# Altium PCB spd150.PcbDoc (part 10 of 16) (continued)
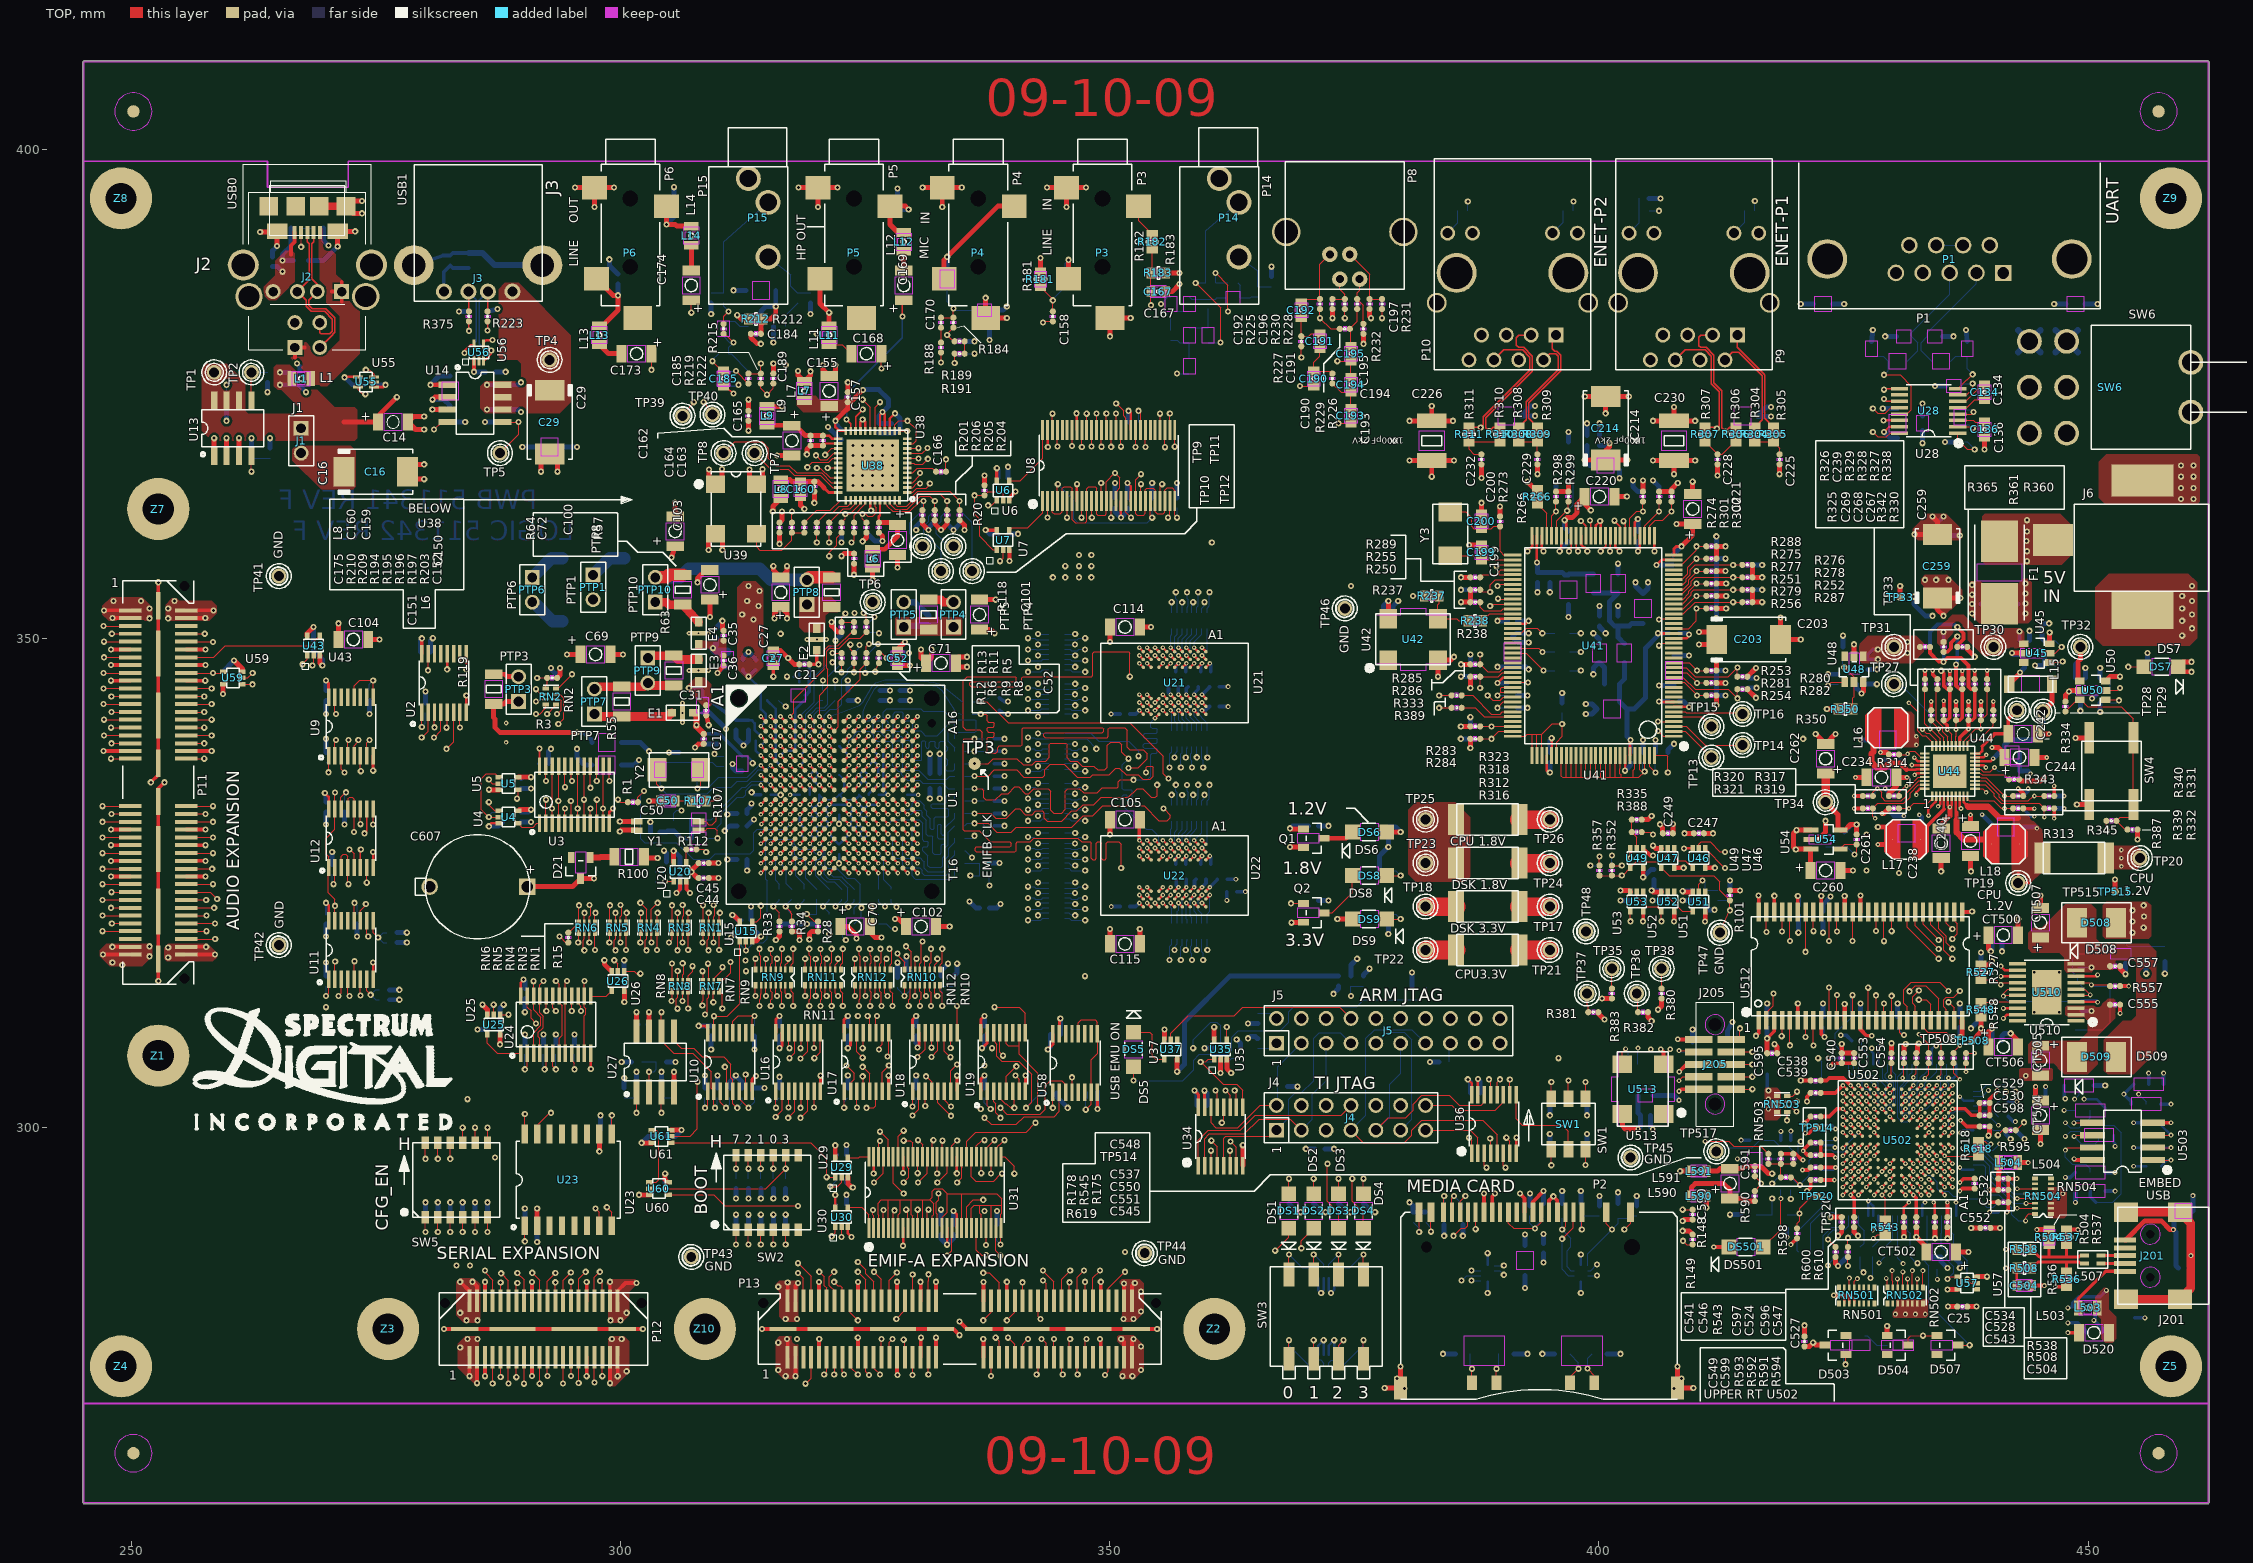
[diagram p0: TOP view]
## Nets (pads, with @x,y where several pads share a name; then routed paths per layer and width w, separated by ;. In a path a pad name is that pad's centre, name@x,y a point inside that pad or via, vN(x,y) a via of type N, cw(c..) or ccw(c..) an arc to the next point about the centre after c; other vN are vias at no path point) (continued)
  TOP w0.254: v1(321.945,372.237) 321.945,371.599 322.356,371.196 U38.24@323.007,371.196 ; U38.17@326.504,371.196 326.504,372.859 v1(326.771,373.126) 327.005,372.892 U38.16@327.005,371.196
  TOP w0.508: v1(321.945,372.237) 323.215,373.507 C157.1@323.215,374.142 323.497,374.142 v1(324.752,375.397)
  BOTTOM w0.381: v1(321.945,372.237) 321.945,372.013 322.58,371.378 C153.1@322.58,371.348
  BOTTOM w0.508: v1(324.752,375.397) 324.767,375.412 326.39,375.412 327.365,374.437 327.365,373.72 v1(326.771,373.126) 326.39,372.745 C156.1@326.39,371.983 C154.1@327.66,371.983
N17225839: R15.1 U1.B5 | length 40.3
  TOP w0.127: v1(293.751,319.532) 294.386,318.897 R15.1@294.64,318.897
  TOP w0.254: v2(318.325,341.015) U1.B5@318.826,340.515
  LYR3-SIG w0.102: 313.69,336.169 313.817,336.169 314.063,336.415 317.619,336.415 317.881,336.677 317.881,339.217 318.135,339.471 318.389,339.471 318.77,339.852 318.77,340.571 v2(318.325,341.015)
  LYR3-SIG w0.127: v1(293.751,319.532) 293.751,323.215 306.324,335.788 311.785,335.788 312.166,336.169 313.69,336.169
N17240773: R330.1 U44.21 | length 4.3
  TOP w0.127: U44.21@437.662,338.988 437.662,339.364 437.921,339.623 438.861,339.623 440.309,341.071 R330.1@440.309,341.63
N17240793: R320.2 R322.2 U44.38 | length 8.7
  TOP w0.127: R320.2@427.99,333.883 427.99,334.264 428.371,334.645 v2(428.447,334.645) 428.498,334.645 428.879,334.264 428.879,333.731 429.235,333.375 430.911,333.375 431.419,333.883 431.419,334.152 432.689,335.422 U44.38@433.299,335.422
  BOTTOM w0.127: R322.2@428.244,333.756 428.244,334.442 v2(428.447,334.645)
N17240813: R326.2 TP27.1 U44.28 | length 12.9
  TOP w0.127: R326.2@433.324,344.805 433.324,341.274 v2(433.857,340.741) 434.863,339.735 U44.28@434.863,338.988
  BOTTOM w0.127: TP27.1@430.149,345.313 430.784,345.313 433.857,342.24 v2(433.857,340.741)
N17240835: L17.2 U44.4 | length 5.4
  TOP w0.254: 435.265,332.522 U44.4@435.265,333.858
  TOP w0.381: 433.349,330.606 435.265,332.522
  TOP w0.635: L17.2@432.88,329.438 432.88,330.137 433.349,330.606
N17240841: R339.2 R341.1 U44.10 | length 6.2
  TOP w0.127: U44.10@437.662,333.858 437.662,333.583 437.845,333.4 440.334,333.4 441.122,332.613 v2(441.452,332.613) R339.2@442.341,332.613
  BOTTOM w0.127: v2(441.452,332.613) R341.1@442.341,332.613
N17240851: R340.2 R344.1 U44.14 | length 5.6
  TOP w0.127: U44.14@438.429,335.824 438.983,335.824 439.08,335.727 439.608,335.727 v2(441.452,333.883) R340.2@442.341,333.883
  BOTTOM w0.127: v2(441.452,333.883) R344.1@442.341,333.883
N17240857: R338.2 R342.1 U44.22 | length 7.1
  TOP w0.127: U44.22@437.264,338.988 437.264,339.474 438.531,340.741 v2(439.039,340.741) R342.1@439.039,341.63 439.674,342.265 R338.2@439.674,344.805
N17240887: R319.2 R324.1 U44.1 | length 5.1
  TOP w0.127: R319.2@430.657,332.613 v2(431.673,332.613) 432.181,333.121 433.583,333.121 434.066,333.604 U44.1@434.066,333.858
  BOTTOM w0.127: R324.1@430.657,332.613 v2(431.673,332.613)
N17240913: R345.2 U44.11 | length 17.2
  TOP w0.127: U44.11@438.429,334.625 439.212,334.625 v2(439.572,334.264) ; v1(451.866,330.378) R345.2@451.866,331.343
  LYR3-SIG w0.127: v2(439.572,334.264) 440.588,333.248 447.548,333.248 448.056,333.756 449.58,333.756 450.723,332.613 450.723,331.521 v1(451.866,330.378)
N17240949: R314.2 R315.1 U44.32 | length 4.2
  TOP w0.127: R314.2@430.657,338.125 431.475,338.125 v2(431.551,338.201) 431.805,338.455 432.252,338.455 432.885,337.823 U44.32@433.299,337.823
  BOTTOM w0.127: R315.1@430.657,337.693 431.165,337.693 431.551,338.079 v2(431.551,338.201)
N17240989: R321.2 R322.1 U44.39 | length 8.8
  TOP w0.127: v2(428.231,331.597) 427.99,331.838 R321.2@427.99,332.613 428.498,333.121 431.165,333.121 431.8,333.756 431.8,334.173 432.651,335.023 U44.39@433.299,335.023
  BOTTOM w0.127: v2(428.231,331.597) 428.231,331.925 428.244,331.937 R322.1@428.244,332.74
N17241029: L16.1 U44.35 | length 9.7
  TOP w0.229: 431.444,336.575 432.387,336.575 432.435,336.624 U44.35@433.299,336.624
  TOP w0.508: 430.809,337.21 431.444,336.575
  TOP w0.635: L16.1@428.053,340.868 428.053,338.392 427.863,338.201 427.863,337.312 428.346,336.829 429.285,336.829 429.666,337.21 430.809,337.21
N17241051: C235.1 R317.2 U44.37 | length 5.1
  TOP w0.127: R317.2@430.657,333.883 430.657,334.264 431.292,334.899 v2(431.457,334.899) 431.734,334.899 432.659,335.824 U44.37@433.299,335.824
  BOTTOM w0.127: C235.1@430.657,333.883 430.657,334.264 431.292,334.899 v2(431.457,334.899)
N17241071: C239.1 U44.26 | length 6.4
  TOP w0.127: C239.1@434.594,344.805 434.467,344.678 434.467,341.63 435.153,340.944 435.153,340.436 435.663,339.926 U44.26@435.663,338.988
N17241105: R332.2 R337.1 U44.12 | length 10
  TOP w0.127: U44.12@438.429,335.023 439.499,335.023 440.385,334.137 440.385,333.832 441.096,333.121 445.008,333.121 R332.2@445.516,332.613 v2(445.516,331.724)
  BOTTOM w0.127: v2(445.516,331.724) R337.1@445.516,332.613
N17242097: R331.2 R336.1 U44.13 | length 9.3
  TOP w0.127: U44.13@438.429,335.422 439.506,335.422 440.919,334.01 440.919,333.731 441.274,333.375 443.865,333.375 444.373,333.883 v2(444.5,333.883) R331.2@445.516,333.883
  BOTTOM w0.127: v2(444.5,333.883) R336.1@445.516,333.883
N17242129: L18.2 U44.7 | length 7.8
  TOP w0.254: U44.7@436.463,333.858 436.463,332.278 436.55,332.191
  TOP w0.381: 436.55,331.419 436.55,332.191
  TOP w0.635: 436.55,331.419 436.55,330.175 437.286,329.438 439.649,329.438 440.093,328.993 L18.2@440.093,328.981
N17242135: R343.1 U44.15 | length 3.8
  TOP w0.127: U44.15@438.429,336.222 438.986,336.222 439.153,336.055 441.465,336.055 R343.1@441.935,335.585
N17254420: R188.2 U38.11 U38.14 | length 13.9
  TOP w0.127: U38.14@328.005,371.196 328.005,371.82 328.422,372.237 v1(329.311,372.237) 330.2,371.348 330.2,370.205 329.91,369.915 U38.11@329.286,369.915 ; v1(332.74,378.206) R188.2@332.74,379.222
  LYR3-SIG w0.127: v1(329.311,372.237) 332.74,375.666 v1(332.74,378.206)
N17261959: TP16.1 U41.6 | length 7.1
  TOP w0.127: U41.6@407.645,342.494 408.838,342.494 408.94,342.392 414.528,342.392 TP16.1@414.655,342.265
N17266863: R237.2 R238.2 U42.3 | length 5.5
  TOP w0.127: R237.2@383.667,354.33 383.667,353.568 383.54,353.441 U42.3@383.54,351.993 385.445,351.993 385.648,351.79 R238.2@386.588,351.79
N17266974: R238.1 U41.77 | length 3.4
  TOP w0.127: R238.1@388.112,351.79 388.826,352.504 U41.77@391.185,352.504
N17281780: TP13.1 U41.2 | length 4.9
  TOP w0.127: U41.2@407.645,340.492 408.808,340.492 TP13.1@411.48,337.82
N17281860: TP14.1 U41.3 | length 7.8
  TOP w0.127: U41.3@407.645,340.992 408.943,340.992 410.845,339.09 TP14.1@414.655,339.09
N17285162: R242.2 U41.85 | length 5
  TOP w0.127: U41.85@391.185,348.498 392.547,348.498 v1(394.335,346.71)
  BOTTOM w0.127: v1(394.335,346.71) R242.2@395.478,346.71
N17285163: R243.2 U41.84 | length 4.5
  TOP w0.127: U41.84@391.185,348.999 393.835,348.999 v1(394.218,348.615)
  BOTTOM w0.127: v1(394.218,348.615) R243.2@395.478,348.615
N17297162: RN13.9 U1.J16 | length 24.5
  TOP w0.254: U1.J16@329.834,333.51 v2(330.335,333.009)
  LYR8-SIG w0.127: v2(330.335,333.009) 330.835,332.509 330.835,330.073 331.724,329.184 331.724,327.787 331.978,327.533 335.026,327.533 335.28,327.787 335.28,330.2 335.534,330.454 337.523,330.454 339.428,328.549 340.868,328.549 341.122,328.803 341.122,330.832 v1(341.633,331.343)
  BOTTOM w0.127: v1(341.633,331.343) 342.943,331.343 343.157,331.556 RN13.9@343.741,331.556
N17297163: RN13.10 U1.J15 | length 24.4
  TOP w0.254: U1.J15@328.833,333.51 v2(329.334,333.009)
  LYR8-SIG w0.102: v2(329.334,333.009) 329.728,333.403 330.581,333.403 330.835,333.149
  LYR8-SIG w0.127: 330.835,333.149 331.193,332.791 331.193,330.307 332.128,329.372 332.128,328.315 332.466,327.977 334.282,327.977 334.853,328.549 334.853,331.226 335.224,331.597 337.315,331.597 338.658,330.253 340.413,330.253 340.777,330.617 340.777,331.371 341.257,331.851 v1(342.649,331.851)
  BOTTOM w0.127: v1(342.649,331.851) 342.928,332.13 RN13.10@343.741,332.13
N17297164: RN13.11 U1.J13 | length 24.4
  TOP w0.254: U1.J13@326.832,333.51 v2(327.332,333.009)
  LYR8-SIG w0.102: v2(327.332,333.009) 327.939,333.616 330.835,333.616
  LYR8-SIG w0.127: 330.835,333.616 330.848,333.616 331.564,332.9 331.564,330.581 332.585,329.56 332.585,329.024 332.826,328.783 334.211,328.783 334.488,329.06 334.488,331.914 335.186,332.613 339.428,332.613 339.555,332.486 v1(341.633,332.486)
  BOTTOM w0.127: v1(341.633,332.486) 343.014,332.486 343.157,332.628 RN13.11@343.741,332.628
N17297165: RN13.12 U1.H16 | length 24.3
  TOP w0.254: U1.H16@329.834,334.51 v2(330.335,335.011)
  LYR8-SIG w0.127: v2(330.335,335.011) 331.691,335.011 332.105,334.597 332.105,333.418 331.973,333.286 331.973,330.779 332.161,330.591 332.318,330.591 332.704,330.977 332.862,330.977 333.367,330.472 333.367,330.314 333.253,330.2 333.096,330.2 332.862,330.434 332.704,330.434 332.59,330.319 332.59,330.162 333.451,329.301 333.962,329.301 334.134,329.474 334.134,332.209 334.792,332.867 339.428,332.867 339.555,332.994 v1(342.649,332.994)
  BOTTOM w0.127: v1(342.649,332.994) 342.781,333.126 RN13.12@343.741,333.126
N17297166: RN13.13 U1.H13 | length 24.4
  TOP w0.254: U1.H13@326.832,334.51 v2(327.332,335.011)
  LYR8-SIG w0.102: v2(327.332,335.011) 327.726,335.404 330.581,335.404
  LYR8-SIG w0.127: 330.581,335.404 331.917,335.404 333.474,333.847 333.474,333.309 333.586,333.197 334.322,333.197 334.434,333.309 334.434,333.466 334.322,333.578 333.967,333.578 333.855,333.69 333.855,333.847 333.967,333.959 334.988,333.959 335.1,334.071 335.1,334.228 334.988,334.34 333.728,334.34 333.616,334.452 333.616,334.609 333.728,334.721 335.369,334.721 335.481,334.609 335.481,334.071 335.592,333.959 339.776,333.959 340.111,333.624 v1(341.638,333.624)
  BOTTOM w0.127: v1(341.638,333.624) 342.443,333.624 342.453,333.614 342.875,333.614 342.885,333.624 RN13.13@343.741,333.624
N17297167: RN13.14 U1.G16 | length 24.3
  TOP w0.254: U1.G16@329.834,335.511 v2(330.335,336.012)
  LYR8-SIG w0.127: v2(330.335,336.012) 332.105,336.012 332.964,335.153 336.855,335.153 336.967,335.041 336.967,334.503 337.078,334.391 338.597,334.391 338.709,334.503 338.709,334.66 338.597,334.772 337.459,334.772 337.348,334.884 337.348,335.041 337.459,335.153 339.725,335.153 340.657,334.221 341.818,334.221 342.232,334.635 344.508,334.635 344.846,334.297 344.846,333.832 344.454,333.441 343.344,333.441 v1(342.664,334.122)
  BOTTOM w0.127: v1(342.664,334.122) RN13.14@343.741,334.122
N17297168: RN13.15 U1.G13 | length 24.5
  TOP w0.254: U1.G13@326.832,335.511 v2(327.332,336.012)
  LYR8-SIG w0.102: v2(327.332,336.012) 327.873,336.553 330.705,336.553
  LYR8-SIG w0.127: 330.705,336.553 332.91,336.553 333.022,336.441 333.022,335.902 333.134,335.791 334.424,335.791 334.536,335.902 334.536,336.06 334.424,336.172 333.515,336.172 333.403,336.283 333.403,336.441 333.515,336.553 334.813,336.553 335.958,335.407 336.38,335.407 336.951,335.978 338.435,335.978 339.006,335.407 339.428,335.407 339.745,335.724 341.653,335.724 342.077,336.149 342.328,336.149 342.433,336.045 342.433,335.867 342.026,335.46 342.026,335.166 v1(341.633,334.772)
  BOTTOM w0.127: v1(341.633,334.772) 342.351,334.772 342.438,334.686 342.478,334.686 342.534,334.63 342.875,334.63 342.885,334.62 RN13.15@343.741,334.62
N17297169: RN13.16 U1.F16 | length 24.4
  TOP w0.254: U1.F16@329.834,336.512 v2(330.335,337.012)
  LYR3-SIG w0.102: v2(330.335,337.012) 330.835,337.012
  LYR3-SIG w0.127: 330.835,337.012 332.694,335.153 334.518,335.153 335.534,334.137 336.941,334.137 337.053,334.249 337.053,335.549 337.165,335.661 338.597,335.661 338.709,335.549 338.709,335.392 338.597,335.28 337.546,335.28 337.434,335.168 337.434,335.011 337.546,334.899 338.597,334.899 338.709,334.787 338.709,334.63 338.597,334.518 337.546,334.518 337.434,334.406 337.434,334.249 337.546,334.137 339.428,334.137 339.916,334.625 339.916,335.62 340.21,335.915 341.927,335.915 v1(342.649,335.194)
  BOTTOM w0.127: v1(342.649,335.194) RN13.16@343.741,335.194
N17297416: RN15.9 U1.F13 | length 24.5
  TOP w0.254: U1.F13@326.832,336.512 v2(327.332,337.012)
  LYR3-SIG w0.102: v2(327.332,337.012) 327.759,337.439 330.835,337.439
  LYR3-SIG w0.127: 330.835,337.439 331.597,336.677 336.423,336.677 338.836,338.836 339.369,339.217 339.517,339.314 339.725,339.471 340.868,340.868 340.868,344.551 341.63,346.583 v1(341.633,346.583)
  BOTTOM w0.127: v1(341.633,346.583) 342.943,346.583 343.157,346.796 RN15.9@343.741,346.796
N17297417: RN15.10 U1.E16 | length 24.5
  TOP w0.254: U1.E16@329.834,337.513 v2(330.335,338.013)
  LYR3-SIG w0.102: v2(330.335,338.013) 330.396,338.074 330.835,338.074
  LYR3-SIG w0.127: 330.835,338.074 331.851,337.058 332.994,337.058 333.248,337.312 333.248,338.074 333.502,338.328 333.883,338.328 334.01,338.201 334.772,338.201 334.899,338.328 335.28,338.328 335.775,337.833 336.563,337.833 339.09,340.36 339.852,340.36 340.081,340.589 340.081,340.766 339.768,341.079 339.768,341.551 340.233,342.016 340.233,344.104 339.352,344.985 339.352,346.192 340.251,347.091 v1(342.649,347.091)
  BOTTOM w0.127: v1(342.649,347.091) 342.928,347.37 RN15.10@343.741,347.37
N17297418: RN15.11 U1.E13 | length 24.4
  TOP w0.254: U1.E13@326.832,337.513 v2(327.332,338.013)
  LYR3-SIG w0.102: v2(327.332,338.013) 327.901,338.582 330.708,338.582
  LYR3-SIG w0.127: 330.708,338.582 330.835,338.709 335.704,338.709 335.958,338.963 336.893,338.963 338.955,341.025 338.955,346.448 340.233,347.726 v1(341.633,347.726)
  BOTTOM w0.127: v1(341.633,347.726) 343.014,347.726 343.157,347.868 RN15.11@343.741,347.868
N17297419: RN15.12 U1.D16 | length 24.5
  TOP w0.254: U1.D16@329.834,338.513 v2(330.335,339.014)
  LYR3-SIG w0.102: v2(330.335,339.014) 330.411,339.09 330.835,339.09
  LYR3-SIG w0.127: 330.835,339.09 334.653,339.09 335.872,340.309 337.271,340.309 338.513,341.551 338.513,342.58 338.386,342.707 337.937,342.707 337.81,342.58 337.81,341.775 337.713,341.678 337.401,341.678 337.312,341.767 337.312,345.44 340.106,348.234 v1(342.649,348.234)
  BOTTOM w0.127: v1(342.649,348.234) 342.781,348.366 RN15.12@343.741,348.366
N17297420: RN15.13 U1.D15 | length 24.5
  TOP w0.254: U1.D15@328.833,338.513 v2(329.334,339.014)
  LYR3-SIG w0.102: v2(329.334,339.014) 329.791,339.471 330.835,339.471
  LYR3-SIG w0.127: 330.835,339.471 334.2,339.471 335.524,340.794 335.524,343.014 335.412,343.126 335.255,343.126 335.143,343.014 335.143,342.166 335.031,342.054 334.874,342.054 334.762,342.166 334.762,343.395 334.874,343.507 335.412,343.507 335.524,343.619 335.524,344.287 340.101,348.864 v1(341.638,348.864)
  BOTTOM w0.127: v1(341.638,348.864) 342.443,348.864 342.453,348.854 342.875,348.854 342.885,348.864 RN15.13@343.741,348.864
N17297421: RN15.14 U1.D14 | length 24.5
  TOP w0.254: U1.D14@327.833,338.513 v2(328.333,339.014)
  LYR3-SIG w0.102: v2(328.333,339.014) 328.727,339.407 328.727,340.03 329.184,340.487 330.581,340.487 330.835,340.233
  LYR3-SIG w0.127: 330.835,340.233 330.962,340.106 333.835,340.106 334.33,340.601 334.33,342.636 334.218,342.748 334.061,342.748 333.949,342.636 333.949,342.582 333.837,342.471 333.68,342.471 333.568,342.582 333.568,343.017 333.68,343.129 334.218,343.129 334.33,343.24 334.33,343.601 340.101,349.372 341.848,349.372 341.859,349.362 v1(342.664,349.362)
  BOTTOM w0.127: v1(342.664,349.362) RN15.14@343.741,349.362
N17297422: RN15.15 U1.D13 | length 24.5
  TOP w0.254: U1.D13@326.832,338.513 v2(327.332,339.014)
  LYR3-SIG w0.102: v2(327.332,339.014) 327.787,339.468 327.787,342.265 328.041,342.519
  LYR3-SIG w0.127: 328.041,342.519 328.356,342.834 329.753,342.834 330.436,343.517 330.436,344.442 331.313,345.318 332.811,345.318 333.538,344.592 334.559,344.592 339.979,350.012 v1(341.633,350.012)
  BOTTOM w0.127: v1(341.633,350.012) 342.311,350.012 342.453,349.87 342.875,349.87 342.885,349.86 RN15.15@343.741,349.86
N17297423: RN15.16 U1.C16 | length 24.4
  TOP w0.254: U1.C16@329.834,339.514 v2(330.335,340.015)
  LYR4-SIG w0.102: v2(330.335,340.015) 330.835,339.514
  LYR4-SIG w0.127: 330.835,339.514 330.878,339.471 332.486,339.471 335.28,342.265 335.28,346.202 337.439,348.361 337.439,351.155 338.074,351.79 342.138,351.79 342.649,351.279 v1(342.649,350.434)
  BOTTOM w0.127: v1(342.649,350.434) RN15.16@343.741,350.434
N17297670: RN17.16 U1.G15 | length 24.4
  TOP w0.254: U1.G15@328.833,335.511 v2(329.334,336.012)
  LYR3-SIG w0.102: v2(329.334,336.012) 329.745,336.423 330.726,336.423
  LYR3-SIG w0.127: 330.726,336.423 335.552,331.597 339.755,331.597 340.662,330.69 343.032,330.69 343.634,330.088 343.634,326.019 v1(342.649,325.034)
  BOTTOM w0.127: v1(342.649,325.034) RN17.16@343.741,325.034
N17297671: RN17.15 U1.H14 | length 24.3
  TOP w0.254: U1.H14@327.833,334.51 v2(328.333,335.011)
  LYR3-SIG w0.102: v2(328.333,335.011) 328.729,335.407 330.708,335.407
  LYR3-SIG w0.127: 330.708,335.407 332.105,334.01 332.105,332.91 334.508,330.507 338.008,330.507 338.412,330.103 339.847,330.103 341.13,328.821 341.13,328.333 341.427,328.036 341.914,328.036 342.141,327.81 342.141,325.12 v1(341.633,324.612)
  BOTTOM w0.127: v1(341.633,324.612) 342.265,324.612 342.407,324.47 342.875,324.47 342.885,324.46 RN17.15@343.741,324.46
N17297672: RN17.14 U1.H15 | length 24.5
  TOP w0.254: U1.H15@328.833,334.51 v2(329.334,335.011)
  LYR3-SIG w0.102: v2(329.334,335.011) 329.941,334.404 330.728,334.404 330.835,334.297
  LYR3-SIG w0.127: 330.835,334.297 331.041,334.091 331.041,333.423 335.216,329.248 336.906,329.248 337.017,329.136 337.017,328.597 337.129,328.486 337.883,328.486 337.995,328.597 337.995,328.755 337.883,328.866 337.51,328.866 337.398,328.978 337.398,329.136 337.51,329.248 339.649,329.248 340.589,328.308 340.589,327.807 340.886,327.51 340.886,324.46 341.368,323.977 341.841,323.977 341.856,323.962 v1(342.664,323.962)
  BOTTOM w0.127: v1(342.664,323.962) RN17.14@343.741,323.962
N17297673: RN17.13 U1.J14 | length 24.3
  TOP w0.254: U1.J14@327.833,333.51 v2(328.333,333.009)
  LYR3-SIG w0.102: v2(328.333,333.009) 328.826,333.502 330.431,333.502
  LYR3-SIG w0.127: 330.431,333.502 334.01,329.923 334.01,328.676 335.915,326.771 336.619,326.771 337.861,328.013 339.758,328.013 340.002,327.769 340.002,324.404 340.937,323.469 v1(341.63,323.469)
  BOTTOM w0.127: v1(341.63,323.469) 342.011,323.466 342.273,323.464 342.395,323.342 343.035,323.342 343.157,323.464 RN17.13@343.741,323.464
N17297674: RN17.12 U1.K13 | length 24.3
  TOP w0.254: U1.K13@326.832,332.509 v2(327.332,332.008)
  LYR3-SIG w0.102: v2(327.332,332.008) 327.81,332.486 330.708,332.486 330.835,332.359
  LYR3-SIG w0.127: 330.835,332.359 333.502,329.692 333.502,327.198 334.437,326.263 337.129,326.263 337.477,326.611 337.977,326.611 338.341,326.248 339.032,326.248 339.362,325.918 339.362,323.832 340.36,322.834 v1(342.649,322.834)
  BOTTOM w0.127: v1(342.649,322.834) 342.781,322.966 RN17.12@343.741,322.966
N17297675: RN17.11 U1.K16 | length 24.4
  TOP w0.254: U1.K16@329.834,332.509 v2(330.335,332.008)
  LYR3-SIG w0.102: v2(330.335,332.008) 330.678,332.008
  LYR3-SIG w0.127: 330.678,332.008 333.121,329.565 333.121,326.972 334.97,325.123 334.97,322.616 335.854,321.732 337.393,321.732 337.505,321.843 337.505,322.001 337.393,322.113 336.829,322.113 336.718,322.224 336.718,322.382 336.829,322.494 337.774,322.494 337.886,322.382 337.886,321.843 337.998,321.732 339.755,321.732 340.35,322.326 v1(341.633,322.326)
  BOTTOM w0.127: v1(341.633,322.326) 343.014,322.326 343.157,322.468 RN17.11@343.741,322.468
N17297676: RN17.10 U1.L14 | length 24.3
  TOP w0.254: U1.L14@327.833,331.508 v2(328.333,331.008)
  LYR3-SIG w0.102: v2(328.333,331.008) 328.795,331.47 330.581,331.47
  LYR3-SIG w0.127: 330.581,331.47 332.74,329.311 332.74,326.771 334.391,325.12 334.391,321.818 335.026,321.183 340.868,321.183 341.376,321.691 v1(342.649,321.691)
  BOTTOM w0.127: v1(342.649,321.691) 342.928,321.97 RN17.10@343.741,321.97
N17297677: RN17.9 U1.L15 | length 24.5
  TOP w0.254: U1.L15@328.833,331.508 v2(329.334,331.008)
  LYR3-SIG w0.102: v2(329.334,331.008) 329.888,330.454 330.708,330.454 330.835,330.327
  LYR3-SIG w0.127: 330.835,330.327 332.359,328.803 332.359,326.39 334.01,324.739 334.01,321.183 336.042,319.151 339.601,319.151 v1(341.633,321.183)
  BOTTOM w0.127: v1(341.633,321.183) 342.943,321.183 343.157,321.396 RN17.9@343.741,321.396
N17297924: RN18.16 U1.A13 | length 24.3
  TOP w0.254: U1.A13@326.832,341.516 v2(327.332,342.016)
  LYR4-SIG w0.102: v2(327.332,342.016) 327.835,342.519 329.39,342.519 329.819,342.09 329.819,338.971 330.17,338.62 330.416,338.62 330.835,338.201
  LYR4-SIG w0.127: 330.835,338.201 335.026,334.01 336.931,334.01 338.201,332.74 339.471,332.74 341.503,330.708 342.054,330.708 v1(342.649,330.114)
  BOTTOM w0.127: v1(342.649,330.114) RN18.16@343.741,330.114
N17297925: RN18.15 U1.B14 | length 24.5
  TOP w0.254: U1.B14@327.833,340.515 v2(328.333,341.015)
  LYR4-SIG w0.102: v2(328.333,341.015) 327.939,340.622 327.939,336.847 328.237,336.55 330.581,336.55 330.835,336.296
  LYR4-SIG w0.127: 330.835,336.296 334.391,332.74 334.391,331.597 335.661,330.327 337.439,330.327 338.074,329.692 v1(341.633,329.692)
  BOTTOM w0.127: v1(341.633,329.692) 342.224,329.692 342.367,329.55 342.875,329.55 342.885,329.54 RN18.15@343.741,329.54
N17297926: RN18.14 U1.A14 | length 24.4
  TOP w0.254: U1.A14@327.833,341.516 v2(328.333,342.016)
  LYR4-SIG w0.102: v2(328.333,342.016) 328.803,341.546 328.803,337.82 329.057,337.566 330.581,337.566 330.835,337.312
  LYR4-SIG w0.127: 330.835,337.312 335.153,332.994 335.153,332.105 335.661,331.597 339.725,331.597 340.995,330.327 341.757,330.327 342.163,329.921 342.163,329.54 342.661,329.042 v1(342.664,329.042)
  BOTTOM w0.127: v1(342.664,329.042) RN18.14@343.741,329.042
N17297927: RN18.13 U1.E14 | length 24.4
  TOP w0.254: U1.E14@327.833,337.513 v2(328.333,338.013)
  LYR7-SIG w0.102: v2(328.333,338.013) 328.775,338.455 330.454,338.455
  LYR7-SIG w0.127: 330.454,338.455 330.49,338.419 330.505,338.419 331.231,337.693 334.645,337.693 335.026,337.312 335.026,330.708 335.407,330.327 337.439,330.327 337.82,329.946 340.236,329.946 v1(341.638,328.544)
  BOTTOM w0.127: v1(341.638,328.544) 342.265,328.544 342.387,328.422 343.035,328.422 343.157,328.544 RN18.13@343.741,328.544
N17297928: RN18.12 U1.E15 | length 24.3
  TOP w0.254: U1.E15@328.833,337.513 v2(329.334,338.013)
  LYR7-SIG w0.102: v2(329.334,338.013) 329.753,338.013 330.327,337.439 330.573,337.439 330.835,337.177
  LYR7-SIG w0.127: 330.835,337.177 330.962,337.05 333.129,337.05 333.883,336.296 333.883,332.867 333.121,332.105 333.121,329.692 333.502,329.311 339.725,329.311 341.122,327.914 v1(342.649,327.914)
  BOTTOM w0.127: v1(342.649,327.914) 342.781,328.046 RN18.12@343.741,328.046
N17297929: RN18.11 U1.F14 | length 24.4
  TOP w0.254: U1.F14@327.833,336.512 v2(328.333,337.012)
  LYR7-SIG w0.102: v2(328.333,337.012) 328.727,337.406 329.499,337.406 329.941,336.964 329.941,336.847 330.17,336.619 330.5,336.619 330.835,336.283
  LYR7-SIG w0.127: 330.835,336.283 331.089,336.283 333.248,334.124 333.248,333.121 332.486,332.359 332.486,329.311 332.867,328.93 339.217,328.93 340.741,327.406 v1(341.633,327.406)
  BOTTOM w0.127: v1(341.633,327.406) 343.014,327.406 343.157,327.548 RN18.11@343.741,327.548
N17297930: RN18.10 U1.F15 | length 24.4
  TOP w0.254: U1.F15@328.833,336.512 v2(329.334,337.012)
  LYR7-SIG w0.102: v2(329.334,337.012) 329.819,336.527 329.819,335.968 330.352,335.435 330.68,335.435 330.835,335.28
  LYR7-SIG w0.127: 330.835,335.28 332.105,334.01 332.105,332.994 331.724,332.613 331.724,328.295 332.359,327.66 334.264,327.66 335.153,328.549 338.836,328.549 340.614,326.771 v1(342.649,326.771)
  BOTTOM w0.127: v1(342.649,326.771) 342.928,327.05 RN18.10@343.741,327.05
N17297931: RN18.9 U1.G14 | length 24.3
  TOP w0.254: U1.G14@327.833,335.511 v2(328.333,336.012)
  LYR7-SIG w0.102: v2(328.333,336.012) 328.803,335.542 328.803,334.899 329.184,334.518 329.565,334.518
  LYR7-SIG w0.127: 329.565,334.518 329.921,334.162 329.921,333.809 330.203,333.527 330.556,333.527 331.216,332.867 331.216,328.041 331.978,327.279 334.645,327.279 335.458,328.092 336.626,328.092 338.455,326.263 v1(341.633,326.263)
  BOTTOM w0.127: v1(341.633,326.263) 342.943,326.263 343.157,326.476 RN18.9@343.741,326.476
N17304117: R175.1 R178.2 R545.1 R619.2 | length 3.9
  TOP w0.127: R178.2@417.322,296.291 R545.1@418.592,296.291 ; R619.2@418.592,294.894 R545.1@418.592,296.291 ; R175.1@419.862,296.291 R545.1@418.592,296.291
N17306324: F1.2 R366.2 SW6.1 SW6.4 | length 31.4
  LYR4-SIG w0.635: 442.864,379.237 SW6.4@443.992,380.365 ; 442.864,381.493 SW6.4@443.992,380.365 ; 445.12,379.237 SW6.4@443.992,380.365 ; 445.12,381.493 SW6.4@443.992,380.365 ; 446.674,379.237 SW6.1@447.802,380.365 ; 446.674,381.493 SW6.1@447.802,380.365 ; 448.93,379.237 SW6.1@447.802,380.365 ; 448.93,381.493 SW6.1@447.802,380.365
  BOTTOM w0.635: 439.102,353.505 R366.2@440.944,353.505 ; 440.944,352.425 R366.2@440.944,353.505 ; 440.944,354.584 R366.2@440.944,353.505 ; 442.785,353.505 R366.2@440.944,353.505 ; 442.864,379.237 SW6.4@443.992,380.365 ; 442.864,381.493 SW6.4@443.992,380.365 ; 445.12,379.237 SW6.4@443.992,380.365 ; 445.12,381.493 SW6.4@443.992,380.365 ; 446.674,379.237 SW6.1@447.802,380.365 ; 446.674,381.493 SW6.1@447.802,380.365 ; 448.93,379.237 SW6.1@447.802,380.365 ; 448.93,381.493 SW6.1@447.802,380.365
  other v1: 438.15,352.552 443.611,352.552 438.15,353.505 443.611,353.568 438.15,354.457 443.611,354.584 438.15,355.473 443.611,355.6
N17306766: DS7.2 R368.2 | length 2.5
  TOP w0.127: v1(454.101,347.091) DS7.2@455.701,347.091
  BOTTOM w0.127: v1(454.101,347.091) R368.2@455.041,347.091
N17307196: D1.1 F1.1 J6.CENTER R366.1
  other v1: 443.738,357.886 443.738,358.902 443.713,359.943 443.738,360.934 443.738,362.077
N17312924: R112.2 U20.4 | length 1.3
  TOP w0.127: R112.2@306.705,328.422 306.705,327.142 U20.4@306.72,327.127
N17312944: R396.1 U1.K1 U20.1 | length 15.3
  TOP w0.127: v1(304.521,325.145) U20.1@305.42,325.145
  TOP w0.254: v2(314.322,332.008) U1.K1@314.823,332.509
  LYR8-SIG w0.102: 313.69,332.008 v2(314.322,332.008)
  LYR8-SIG w0.127: v1(304.521,325.145) 310.591,331.216 311.277,331.216 312.069,332.008 313.69,332.008
  BOTTOM w0.127: R396.1@303.53,325.12 304.495,325.12 v1(304.521,325.145)
N17314465: R170.1 U34.9 U35.1 | length 10
  TOP w0.127: U35.1@360.665,306.984 360.07,306.984 359.791,306.705 v1(359.283,306.705) 361.569,304.419 362.966,304.419 363.591,303.794 U34.9@363.591,302.072
  BOTTOM w0.127: v1(359.283,306.705) R170.1@360.553,306.705
N17314473: C144.1 R170.2 | length 1.4
  BOTTOM w0.127: R170.2@362.077,306.705 362.458,307.086 C144.1@363.347,307.086
N17314475: R171.2 U35.4 | length 2.4
  TOP w0.127: v1(361.95,310.261) 361.95,308.981 U35.4@361.965,308.966
  BOTTOM w0.127: R171.2@361.95,309.118 v1(361.95,310.261)
N17314529: DS5.2 R173.2 | length 37.5
  TOP w0.127: v1(352.425,304.8) DS5.2@352.425,306.222
  BOTTOM w0.127: v1(352.425,304.8) 357.447,304.8 358.562,305.915 358.562,306.873 359.156,307.467 362.034,307.467 362.458,307.891 362.458,309.202 363.136,309.88 367.411,309.88 368.3,310.769 368.3,311.849 368.808,312.356 375.257,312.356 375.956,313.055 381.508,313.055 382.397,313.944 R173.2@382.397,314.325
N17314533: DS5.1 U37.4 | length 5.5
  TOP w0.127: DS5.1@352.425,309.728 354.076,309.728 354.33,309.474 354.33,307.34 354.686,306.984 U37.4@355.585,306.984
N17316930: C50.1 R107.2 | length 1.7
  TOP w0.127: C50.1@305.562,333.375 R107.2@307.213,333.375
N17328843: C46.2 C47.2 R104.2 R105.1 | length 5.4
  BOTTOM w0.508: R105.1@304.038,330.2 304.673,330.2 304.8,330.327 R104.2@305.435,330.327 306.197,329.565 C46.2@307.213,329.565 C47.2@307.213,331.47
N17328878: C48.2 C49.2 R108.2 R109.1 | length 6.6
  BOTTOM w0.127: C48.2@304.038,337.312 R109.1@305.943,337.312 C49.2@307.848,337.312 309.372,337.312 309.753,336.931 R108.2@310.515,336.931
N17367264: E1.3 PTP7.1 R55.1 | length 8.2
  TOP w0.889: PTP7.1@297.307,342.265 297.561,342.011 R55.1@300.101,342.011 304.825,342.011 E1.3@305.206,342.392
N17367683: E2.3 PTP8.1 R57.1
N17369049: E3.3 PTP9.1 R63.1 | length 5.5
  TOP w0.889: PTP9.1@302.768,347.98 303.022,348.234 R63.1@305.435,348.234 305.841,347.828 E3.3@307.975,347.828

## Text inside footprints (layer, text, board x,y; h text height)
P11: PIN_NUMBER "6" at 255.275,351.257 h0.81 r90; PIN_NUMBER "10" at 254.95,349.656 h0.81 r90; PIN_NUMBER "69" at 249.21,321.666 h0.81 r90; PIN_NUMBER "49" at 249.21,329.641 h0.81 r90; PIN_NUMBER "57" at 249.21,326.441 h0.81 r90; PIN_NUMBER "54" at 254.95,328.041 h0.81 r90; PIN_NUMBER "50" at 254.95,329.641 h0.81 r90; PIN_NUMBER "62" at 254.95,324.866 h0.81 r90; PIN_NUMBER "72" at 254.95,320.853 h0.81 r90; PIN_NUMBER "58" at 254.95,326.441 h0.81 r90; PIN_NUMBER "74" at 254.95,320.065 h0.81 r90; PIN_NUMBER "71" at 249.21,320.853 h0.81 r90; PIN_NUMBER "67" at 249.21,322.453 h0.81 r90; PIN_NUMBER "64" at 254.95,324.053 h0.81 r90; PIN_NUMBER "65" at 249.21,323.266 h0.81 r90; PIN_NUMBER "21" at 249.21,344.881 h0.81 r90; PIN_NUMBER "34" at 254.95,340.081 h0.81 r90; PIN_NUMBER "36" at 254.95,339.268 h0.81 r90; PIN_NUMBER "26" at 254.95,343.281 h0.81 r90; PIN_NUMBER "9" at 249.535,349.656 h0.81 r90; PIN_NUMBER "32" at 254.95,340.868 h0.81 r90; PIN_NUMBER "22" at 254.95,344.881 h0.81 r90; PIN_NUMBER "30" at 254.95,341.681 h0.81 r90; PIN_NUMBER "28" at 254.95,342.468 h0.81 r90; PIN_NUMBER "24" at 254.95,344.068 h0.81 r90; PIN_NUMBER "8" at 255.275,350.469 h0.81 r90; PIN_NUMBER "25" at 249.21,343.281 h0.81 r90; PIN_NUMBER "23" at 249.21,344.068 h0.81 r90; PIN_NUMBER "7" at 249.535,350.469 h0.81 r90; PIN_NUMBER "5" at 249.535,351.257 h0.81 r90; PIN_NUMBER "45" at 249.21,331.241 h0.81 r90; PIN_NUMBER "41" at 249.21,332.842 h0.81 r90; PIN_NUMBER "42" at 254.95,332.842 h0.81 r90; PIN_NUMBER "44" at 254.95,332.054 h0.81 r90; PIN_NUMBER "43" at 249.21,332.054 h0.81 r90; PIN_NUMBER "73" at 249.21,320.065 h0.81 r90; PIN_NUMBER "79" at 249.21,317.678 h0.81 r90; PIN_NUMBER "77" at 249.21,318.465 h0.81 r90; PIN_NUMBER "80" at 254.95,317.678 h0.81 r90; PIN_NUMBER "78" at 254.95,318.465 h0.81 r90; PIN_NUMBER "3" at 249.535,352.069 h0.81 r90; PIN_NUMBER "1" at 249.535,352.857 h0.81 r90; PIN_NUMBER "4" at 255.275,352.069 h0.81 r90; PIN_NUMBER "2" at 255.275,352.857 h0.81 r90; PIN_NUMBER "33" at 249.21,340.081 h0.81 r90; PIN_NUMBER "31" at 249.21,340.868 h0.81 r90; PIN_NUMBER "76" at 254.95,319.253 h0.81 r90; PIN_NUMBER "14" at 254.95,348.056 h0.81 r90; PIN_NUMBER "29" at 249.21,341.681 h0.81 r90; PIN_NUMBER "35" at 249.21,339.268 h0.81 r90; PIN_NUMBER "53" at 249.21,328.041 h0.81 r90; PIN_NUMBER "27" at 249.21,342.468 h0.81 r90; PIN_NUMBER "39" at 249.21,337.693 h0.81 r90; PIN_NUMBER "66" at 254.95,323.266 h0.81 r90; PIN_NUMBER "40" at 254.95,337.693 h0.81 r90; PIN_NUMBER "18" at 254.95,346.456 h0.81 r90; PIN_NUMBER "68" at 254.95,322.453 h0.81 r90; PIN_NUMBER "13" at 249.21,348.056 h0.81 r90; PIN_NUMBER "17" at 249.21,346.456 h0.81 r90; PIN_NUMBER "46" at 254.95,331.241 h0.81 r90; PIN_NUMBER "70" at 254.95,321.666 h0.81 r90; PIN_NUMBER "61" at 249.21,324.866 h0.81 r90; PIN_NUMBER "63" at 249.21,324.053 h0.81 r90; PIN_NUMBER "84" at 252.08,333.324 h0.81 r90; PIN_NUMBER "83" at 252.08,328.447 h0.81 r90; PIN_NUMBER "82" at 252.08,322.097 h0.81 r90; PIN_NUMBER "81" at 252.08,317.221 h0.81 r90; PIN_NUMBER "59" at 249.21,325.653 h0.81 r90; PIN_NUMBER "55" at 249.21,327.254 h0.81 r90; PIN_NUMBER "60" at 254.95,325.653 h0.81 r90; PIN_NUMBER "56" at 254.95,327.254 h0.81 r90; PIN_NUMBER "87" at 252.08,348.463 h0.81 r90; PIN_NUMBER "88" at 252.08,353.339 h0.81 r90; PIN_NUMBER "86" at 252.08,342.113 h0.81 r90; PIN_NUMBER "85" at 252.08,337.236 h0.81 r90; PIN_NUMBER "51" at 249.21,328.854 h0.81 r90; PIN_NUMBER "47" at 249.21,330.454 h0.81 r90; PIN_NUMBER "52" at 254.95,328.854 h0.81 r90; PIN_NUMBER "48" at 254.95,330.454 h0.81 r90; PIN_NUMBER "37" at 249.21,338.48 h0.81 r90; PIN_NUMBER "38" at 254.95,338.48 h0.81 r90; PIN_NUMBER "15" at 249.21,347.269 h0.81 r90; PIN_NUMBER "19" at 249.21,345.669 h0.81 r90; PIN_NUMBER "11" at 249.21,348.869 h0.81 r90; PIN_NUMBER "12" at 254.95,348.869 h0.81 r90; PIN_NUMBER "16" at 254.95,347.269 h0.81 r90; PIN_NUMBER "20" at 254.95,345.669 h0.81 r90; PIN_NUMBER "90" at 254.747,315.214 h0.81 r90; PIN_NUMBER "89" at 254.747,355.346 h0.81 r90; PIN_NUMBER "75" at 249.21,319.253 h0.81 r90
P12: PIN_NUMBER "26" at 293.456,282.27 h0.81 r180; PIN_NUMBER "28" at 294.269,282.27 h0.81 r180; PIN_NUMBER "34" at 296.657,282.27 h0.81 r180; PIN_NUMBER "35" at 297.47,276.53 h0.81 r180; PIN_NUMBER "33" at 296.657,276.53 h0.81 r180; PIN_NUMBER "30" at 295.057,282.27 h0.81 r180; PIN_NUMBER "27" at 294.269,276.53 h0.81 r180; PIN_NUMBER "29" at 295.057,276.53 h0.81 r180; PIN_NUMBER "19" at 291.069,276.53 h0.81 r180; PIN_NUMBER "21" at 291.856,276.53 h0.81 r180; PIN_NUMBER "20" at 291.069,282.27 h0.81 r180; PIN_NUMBER "8" at 286.593,282.27 h0.81 r180; PIN_NUMBER "12" at 287.868,282.27 h0.81 r180; PIN_NUMBER "10" at 287.081,282.27 h0.81 r180; PIN_NUMBER "16" at 289.469,282.27 h0.81 r180; PIN_NUMBER "14" at 288.681,282.27 h0.81 r180; PIN_NUMBER "3" at 284.993,276.53 h0.81 r180; PIN_NUMBER "1" at 284.206,276.53 h0.81 r180; PIN_NUMBER "39" at 299.044,276.53 h0.81 r180; PIN_NUMBER "37" at 298.257,276.53 h0.81 r180; PIN_NUMBER "4" at 284.993,282.27 h0.81 r180; PIN_NUMBER "2" at 284.206,282.27 h0.81 r180; PIN_NUMBER "40" at 299.044,282.27 h0.81 r180; PIN_NUMBER "38" at 298.257,282.27 h0.81 r180; PIN_NUMBER "36" at 297.47,282.27 h0.81 r180; PIN_NUMBER "24" at 292.669,282.27 h0.81 r180; PIN_NUMBER "9" at 287.406,276.53 h0.81 r180; PIN_NUMBER "11" at 287.868,276.53 h0.81 r180; PIN_NUMBER "7" at 286.593,276.53 h0.81 r180; PIN_NUMBER "25" at 293.456,276.53 h0.81 r180; PIN_NUMBER "15" at 289.469,276.53 h0.81 r180; PIN_NUMBER "13" at 288.681,276.53 h0.81 r180; PIN_NUMBER "22" at 291.856,282.27 h0.81 r180; PIN_NUMBER "5" at 285.806,276.53 h0.81 r180; PIN_NUMBER "17" at 290.281,276.53 h0.81 r180; PIN_NUMBER "31" at 295.869,276.53 h0.81 r180; PIN_NUMBER "44" at 283.398,279.4 h0.81 r180; PIN_NUMBER "41" at 299.502,279.4 h0.81 r180; PIN_NUMBER "42" at 294.625,279.4 h0.81 r180; PIN_NUMBER "43" at 288.275,279.4 h0.81 r180; PIN_NUMBER "6" at 285.806,282.27 h0.81 r180; PIN_NUMBER "18" at 290.281,282.27 h0.81 r180; PIN_NUMBER "32" at 295.869,282.27 h0.81 r180; PIN_NUMBER "23" at 292.669,276.53 h0.81 r180
P13: PIN_NUMBER "73" at 349.209,276.53 h0.81 r180; PIN_NUMBER "13" at 321.219,276.53 h0.81 r180; PIN_NUMBER "16" at 322.006,282.27 h0.81 r180; PIN_NUMBER "7" at 319.131,276.53 h0.81 r180; PIN_NUMBER "15" at 322.006,276.53 h0.81 r180; PIN_NUMBER "14" at 321.219,282.27 h0.81 r180; PIN_NUMBER "18" at 322.819,282.27 h0.81 r180; PIN_NUMBER "52" at 340.421,282.27 h0.81 r180; PIN_NUMBER "24" at 325.206,282.27 h0.81 r180; PIN_NUMBER "60" at 343.621,282.27 h0.81 r180; PIN_NUMBER "6" at 318.343,282.27 h0.81 r180; PIN_NUMBER "23" at 325.206,276.53 h0.81 r180; PIN_NUMBER "57" at 342.834,276.53 h0.81 r180; PIN_NUMBER "45" at 338.033,276.53 h0.81 r180; PIN_NUMBER "43" at 337.221,276.53 h0.81 r180; PIN_NUMBER "1" at 316.743,276.53 h0.81 r180; PIN_NUMBER "3" at 317.53,276.53 h0.81 r180; PIN_NUMBER "77" at 350.81,276.53 h0.81 r180; PIN_NUMBER "79" at 351.597,276.53 h0.81 r180; PIN_NUMBER "4" at 317.53,282.27 h0.81 r180; PIN_NUMBER "2" at 316.743,282.27 h0.81 r180; PIN_NUMBER "78" at 350.81,282.27 h0.81 r180; PIN_NUMBER "80" at 351.597,282.27 h0.81 r180; PIN_NUMBER "56" at 342.021,282.27 h0.81 r180; PIN_NUMBER "46" at 338.033,282.27 h0.81 r180; PIN_NUMBER "31" at 328.407,276.53 h0.81 r180; PIN_NUMBER "25" at 325.994,276.53 h0.81 r180; PIN_NUMBER "28" at 326.807,282.27 h0.81 r180; PIN_NUMBER "27" at 326.807,276.53 h0.81 r180; PIN_NUMBER "49" at 339.634,276.53 h0.81 r180; PIN_NUMBER "22" at 324.394,282.27 h0.81 r180; PIN_NUMBER "61" at 344.409,276.53 h0.81 r180; PIN_NUMBER "8" at 319.131,282.27 h0.81 r180; PIN_NUMBER "74" at 349.209,282.27 h0.81 r180; PIN_NUMBER "34" at 329.194,282.27 h0.81 r180; PIN_NUMBER "44" at 337.221,282.27 h0.81 r180; PIN_NUMBER "58" at 342.834,282.27 h0.81 r180; PIN_NUMBER "55" at 342.021,276.53 h0.81 r180; PIN_NUMBER "51" at 340.421,276.53 h0.81 r180; PIN_NUMBER "38" at 330.794,282.27 h0.81 r180; PIN_NUMBER "63" at 345.222,276.53 h0.81 r180; PIN_NUMBER "33" at 329.194,276.53 h0.81 r180; PIN_NUMBER "68" at 346.822,282.27 h0.81 r180; PIN_NUMBER "65" at 346.009,276.53 h0.81 r180; PIN_NUMBER "70" at 347.609,282.27 h0.81 r180; PIN_NUMBER "67" at 346.822,276.53 h0.81 r180; PIN_NUMBER "50" at 339.634,282.27 h0.81 r180; PIN_NUMBER "62" at 344.409,282.27 h0.81 r180; PIN_NUMBER "26" at 325.994,282.27 h0.81 r180; PIN_NUMBER "59" at 343.621,276.53 h0.81 r180; PIN_NUMBER "64" at 345.222,282.27 h0.81 r180; PIN_NUMBER "32" at 328.407,282.27 h0.81 r180; PIN_NUMBER "37" at 330.794,276.53 h0.81 r180; PIN_NUMBER "66" at 346.009,282.27 h0.81 r180; PIN_NUMBER "12" at 320.406,282.27 h0.81 r180; PIN_NUMBER "17" at 322.819,276.53 h0.81 r180; PIN_NUMBER "29" at 327.594,276.53 h0.81 r180; PIN_NUMBER "87" at 320.812,279.4 h0.81 r180; PIN_NUMBER "88" at 315.935,279.4 h0.81 r180; PIN_NUMBER "85" at 332.039,279.4 h0.81 r180; PIN_NUMBER "86" at 327.162,279.4 h0.81 r180; PIN_NUMBER "9" at 319.943,276.53 h0.81 r180; PIN_NUMBER "19" at 323.606,276.53 h0.81 r180; PIN_NUMBER "81" at 352.054,279.4 h0.81 r180; PIN_NUMBER "82" at 347.177,279.4 h0.81 r180; PIN_NUMBER "83" at 340.827,279.4 h0.81 r180; PIN_NUMBER "84" at 335.951,279.4 h0.81 r180; PIN_NUMBER "39" at 331.582,276.53 h0.81 r180; PIN_NUMBER "35" at 330.007,276.53 h0.81 r180; PIN_NUMBER "41" at 336.433,276.53 h0.81 r180; PIN_NUMBER "71" at 348.422,276.53 h0.81 r180; PIN_NUMBER "10" at 319.618,282.27 h0.81 r180; PIN_NUMBER "20" at 323.606,282.27 h0.81 r180; PIN_NUMBER "40" at 331.582,282.27 h0.81 r180; PIN_NUMBER "30" at 327.594,282.27 h0.81 r180; PIN_NUMBER "36" at 330.007,282.27 h0.81 r180; PIN_NUMBER "42" at 336.433,282.27 h0.81 r180; PIN_NUMBER "48" at 338.821,282.27 h0.81 r180; PIN_NUMBER "72" at 348.422,282.27 h0.81 r180; PIN_NUMBER "11" at 320.406,276.53 h0.81 r180; PIN_NUMBER "21" at 324.394,276.53 h0.81 r180; PIN_NUMBER "90" at 354.061,282.067 h0.81 r180; PIN_NUMBER "89" at 313.929,282.067 h0.81 r180; PIN_NUMBER "76" at 350.022,282.27 h0.81 r180; PIN_NUMBER "75" at 350.022,276.53 h0.81 r180; PIN_NUMBER "69" at 347.609,276.53 h0.81 r180; PIN_NUMBER "54" at 341.234,282.27 h0.81 r180; PIN_NUMBER "53" at 341.234,276.53 h0.81 r180; PIN_NUMBER "5" at 318.343,276.53 h0.81 r180; PIN_NUMBER "47" at 338.821,276.53 h0.81 r180
P14: PIN_NUMBER "2" at 362.687,388.976 h0.64 r270; PIN_NUMBER "5" at 362.687,394.564 h0.64 r270; PIN_NUMBER "1" at 360.68,397.002 h0.64 r270
P15: PIN_NUMBER "5" at 314.554,394.564 h0.64 r270; PIN_NUMBER "2" at 314.554,388.976 h0.64 r270; PIN_NUMBER "1" at 312.547,397.002 h0.64 r270
PTP1: PIN_NUMBER "2" at 296.774,353.949 h1.02; PIN_NUMBER "1" at 296.774,356.489 h1.02; ASSEMBLY_TOP "HEADER 2" at 297.307,359.283 h0.89; ASSEMBLY_TOP "X" at 298.577,359.283 h0.89; ASSEMBLY_TOP "X" at 299.847,359.283 h0.89; SYMB_DIM "PAD 60RD40" at 293.37,334.899 h0.76
PTP3: PIN_NUMBER "2" at 289.154,346.075 h1.02 r180; PIN_NUMBER "1" at 289.154,343.535 h1.02 r180; ASSEMBLY_TOP "HEADER 2" at 289.433,340.741 h0.89 r180; ASSEMBLY_TOP "X" at 288.163,340.741 h0.89 r180; ASSEMBLY_TOP "X" at 286.893,340.741 h0.89 r180; SYMB_DIM "PAD 60RD40" at 293.37,365.125 h0.76 r180
PTP4: PIN_NUMBER "2" at 333.604,353.695 h1.02 r180; PIN_NUMBER "1" at 333.604,351.155 h1.02 r180; ASSEMBLY_TOP "HEADER 2" at 333.883,348.361 h0.89 r180; ASSEMBLY_TOP "X" at 332.613,348.361 h0.89 r180; ASSEMBLY_TOP "X" at 331.343,348.361 h0.89 r180; SYMB_DIM "PAD 60RD40" at 337.82,372.745 h0.76 r180
PTP5: PIN_NUMBER "2" at 328.524,353.695 h1.02 r180; PIN_NUMBER "1" at 328.524,351.155 h1.02 r180; ASSEMBLY_TOP "HEADER 2" at 328.803,348.361 h0.89 r180; ASSEMBLY_TOP "X" at 327.533,348.361 h0.89 r180; ASSEMBLY_TOP "X" at 326.263,348.361 h0.89 r180; SYMB_DIM "PAD 60RD40" at 332.74,372.745 h0.76 r180
PTP6: PIN_NUMBER "2" at 290.551,353.695 h1.02; PIN_NUMBER "1" at 290.551,356.235 h1.02; ASSEMBLY_TOP "HEADER 2" at 291.084,359.029 h0.89; ASSEMBLY_TOP "X" at 292.354,359.029 h0.89; ASSEMBLY_TOP "X" at 293.624,359.029 h0.89; SYMB_DIM "PAD 60RD40" at 287.147,334.645 h0.76
PTP7: PIN_NUMBER "2" at 296.901,344.805 h1.02 r180; PIN_NUMBER "1" at 296.901,342.265 h1.02 r180; ASSEMBLY_TOP "HEADER 2" at 297.18,339.471 h0.89 r180; ASSEMBLY_TOP "X" at 295.91,339.471 h0.89 r180; ASSEMBLY_TOP "X" at 294.64,339.471 h0.89 r180; SYMB_DIM "PAD 60RD40" at 301.117,363.855 h0.76 r180
PTP8: PIN_NUMBER "2" at 318.618,355.981 h1.02 r180; PIN_NUMBER "1" at 318.618,353.441 h1.02 r180; ASSEMBLY_TOP "HEADER 2" at 318.897,350.647 h0.89 r180; ASSEMBLY_TOP "X" at 317.627,350.647 h0.89 r180; ASSEMBLY_TOP "X" at 316.357,350.647 h0.89 r180; SYMB_DIM "PAD 60RD40" at 322.834,375.031 h0.76 r180
PTP9: PIN_NUMBER "2" at 302.362,345.44 h1.02; PIN_NUMBER "1" at 302.362,347.98 h1.02; ASSEMBLY_TOP "HEADER 2" at 302.895,350.774 h0.89; ASSEMBLY_TOP "X" at 304.165,350.774 h0.89; ASSEMBLY_TOP "X" at 305.435,350.774 h0.89; SYMB_DIM "PAD 60RD40" at 298.958,326.39 h0.76
PTP10: PIN_NUMBER "2" at 303.124,356.235 h1.02 r180; PIN_NUMBER "1" at 303.124,353.695 h1.02 r180; ASSEMBLY_TOP "HEADER 2" at 303.403,350.901 h0.89 r180; ASSEMBLY_TOP "X" at 302.133,350.901 h0.89 r180; ASSEMBLY_TOP "X" at 300.863,350.901 h0.89 r180; SYMB_DIM "PAD 60RD40" at 307.34,375.285 h0.76 r180
Q1: PIN_NUMBER "3" at 371.5,329.565 h1.02 r270; PIN_NUMBER "1" at 369.367,330.53 h1.02 r270; PIN_NUMBER "2" at 369.367,328.6 h1.02 r270; ASSEMBLY_TOP "FJV3109R" at 370.967,330.073 h1.02 r270; ASSEMBLY_TOP "X" at 370.967,329.184 h1.02 r270; ASSEMBLY_TOP "X" at 370.967,328.295 h1.02 r270; SYMB_DIM "PAD 28X44REC" at 358.775,336.677 h1.02 r270; SYMB_DIM "SM  36X50REC" at 357.124,336.677 h1.02 r270; SYMB_DIM "SP  28X44REC" at 355.219,336.677 h1.02 r270; SYMB_DIM "SOT23-28X44" at 380.619,335.661 h1.02 r270; SYMB_DIM "0" at 361.823,330.073 h1.02 r270; SYMB_DIM "0" at 370.332,336.042 h1.02 r270
Q2: PIN_NUMBER "3" at 371.5,321.945 h1.02 r270; PIN_NUMBER "1" at 369.367,322.91 h1.02 r270; PIN_NUMBER "2" at 369.367,320.98 h1.02 r270; ASSEMBLY_TOP "FJV3109R" at 370.967,322.453 h1.02 r270; ASSEMBLY_TOP "X" at 370.967,321.564 h1.02 r270; ASSEMBLY_TOP "X" at 370.967,320.675 h1.02 r270; SYMB_DIM "PAD 28X44REC" at 358.775,329.057 h1.02 r270; SYMB_DIM "SM  36X50REC" at 357.124,329.057 h1.02 r270; SYMB_DIM "SP  28X44REC" at 355.219,329.057 h1.02 r270; SYMB_DIM "SOT23-28X44" at 380.619,328.041 h1.02 r270; SYMB_DIM "0" at 361.823,322.453 h1.02 r270; SYMB_DIM "0" at 370.332,328.422 h1.02 r270
Q501: PIN_NUMBER "D" at 451.282,317.754 h1.02 r90; PIN_NUMBER "G" at 453.415,318.719 h1.02 r90; PIN_NUMBER "S" at 453.415,316.789 h1.02 r90; SYMB_DIM "PAD 28X44REC" at 464.82,324.866 h1.02 r90; SYMB_DIM "SM  36X50REC" at 466.471,324.866 h1.02 r90; SYMB_DIM "SP  28X44REC" at 468.376,324.866 h1.02 r90; SYMB_DIM "SOT23-28X44" at 442.976,323.85 h1.02 r90; SYMB_DIM "0" at 461.772,318.262 h1.02 r90; SYMB_DIM "0" at 453.263,324.231 h1.02 r90; ASSEMBLY_BOTTOM "BSS138" at 452.628,318.262 h1.02 r90; ASSEMBLY_BOTTOM "X" at 452.628,317.373 h1.02 r90; ASSEMBLY_BOTTOM "X" at 452.628,316.484 h1.02 r90
R1: PIN_NUMBER "1" at 300.533,333.248 h0.51; PIN_NUMBER "2" at 301.549,333.248 h0.51; ASSEMBLY_TOP "22" at 301.244,333.248 h0.64; ASSEMBLY_TOP "TOLERANCE" at 301.244,330.708 h0.64; ASSEMBLY_TOP "USERPART#" at 301.244,329.438 h0.64; SYMBOL_PART_DIM "PAD 35X32 OV" at 298.12,328.473 h0.64; SYMBOL_PART_DIM "C402-35X32" at 298.12,329.743 h0.64; SYMBOL_PART_DIM "0" at 301.041,331.114 h0.64; SYMBOL_PART_DIM "0" at 298.907,332.918 h0.64
R2: PIN_NUMBER "1" at 293.294,345.948 h0.51; PIN_NUMBER "2" at 292.278,345.948 h0.51; ASSEMBLY_BOTTOM "NO-POP" at 292.989,345.948 h0.64; ASSEMBLY_BOTTOM "TOLERANCE" at 292.989,343.408 h0.64; ASSEMBLY_BOTTOM "USERPART#" at 292.989,342.138 h0.64; SYMBOL_PART_DIM "PAD 35X32 OV" at 296.113,341.173 h0.64; SYMBOL_PART_DIM "C402-35X32" at 296.113,342.443 h0.64; SYMBOL_PART_DIM "0" at 293.192,343.814 h0.64; SYMBOL_PART_DIM "0" at 295.326,345.618 h0.64
R3: PIN_NUMBER "1" at 292.278,345.948 h0.51; PIN_NUMBER "2" at 293.294,345.948 h0.51; ASSEMBLY_TOP "2K" at 292.989,345.948 h0.64; ASSEMBLY_TOP "TOLERANCE" at 292.989,343.408 h0.64; ASSEMBLY_TOP "USERPART#" at 292.989,342.138 h0.64; SYMBOL_PART_DIM "PAD 35X32 OV" at 289.865,341.173 h0.64; SYMBOL_PART_DIM "C402-35X32" at 289.865,342.443 h0.64; SYMBOL_PART_DIM "0" at 292.786,343.814 h0.64; SYMBOL_PART_DIM "0" at 290.652,345.618 h0.64
R4: PIN_NUMBER "2" at 324.917,350.647 h0.51 r90; PIN_NUMBER "1" at 324.917,351.663 h0.51 r90; ASSEMBLY_BOTTOM "22" at 325.12,351.155 h0.64 r90; ASSEMBLY_BOTTOM "TOLERANCE" at 327.66,351.155 h0.64 r90; ASSEMBLY_BOTTOM "USERPART#" at 328.93,351.155 h0.64 r90; SYMBOL_PART_DIM "PAD 35X32 OV" at 329.895,354.279 h0.64 r90; SYMBOL_PART_DIM "C402-35X32" at 328.625,354.279 h0.64 r90; SYMBOL_PART_DIM "0" at 327.254,351.358 h0.64 r90; SYMBOL_PART_DIM "0" at 325.45,353.492 h0.64 r90
R5: PIN_NUMBER "1" at 324.917,351.663 h0.51 r270; PIN_NUMBER "2" at 324.917,350.647 h0.51 r270; ASSEMBLY_TOP "22" at 325.12,351.155 h0.64 r270; ASSEMBLY_TOP "TOLERANCE" at 322.58,351.155 h0.64 r270; ASSEMBLY_TOP "USERPART#" at 321.31,351.155 h0.64 r270; SYMBOL_PART_DIM "PAD 35X32 OV" at 320.345,354.279 h0.64 r270; SYMBOL_PART_DIM "C402-35X32" at 321.615,354.279 h0.64 r270; SYMBOL_PART_DIM "0" at 322.986,351.358 h0.64 r270; SYMBOL_PART_DIM "0" at 324.79,353.492 h0.64 r270
R6: PIN_NUMBER "2" at 323.647,347.472 h0.51 r270; PIN_NUMBER "1" at 323.647,348.488 h0.51 r270; ASSEMBLY_TOP "22" at 323.85,347.98 h0.64 r270; ASSEMBLY_TOP "TOLERANCE" at 321.31,347.98 h0.64 r270; ASSEMBLY_TOP "USERPART#" at 320.04,347.98 h0.64 r270; SYMBOL_PART_DIM "PAD 35X32 OV" at 319.075,351.104 h0.64 r270; SYMBOL_PART_DIM "C402-35X32" at 320.345,351.104 h0.64 r270; SYMBOL_PART_DIM "0" at 321.716,348.183 h0.64 r270; SYMBOL_PART_DIM "0" at 323.52,350.317 h0.64 r270